# Altium PCB TCM.PcbDoc (part 2 of 10) (continued)
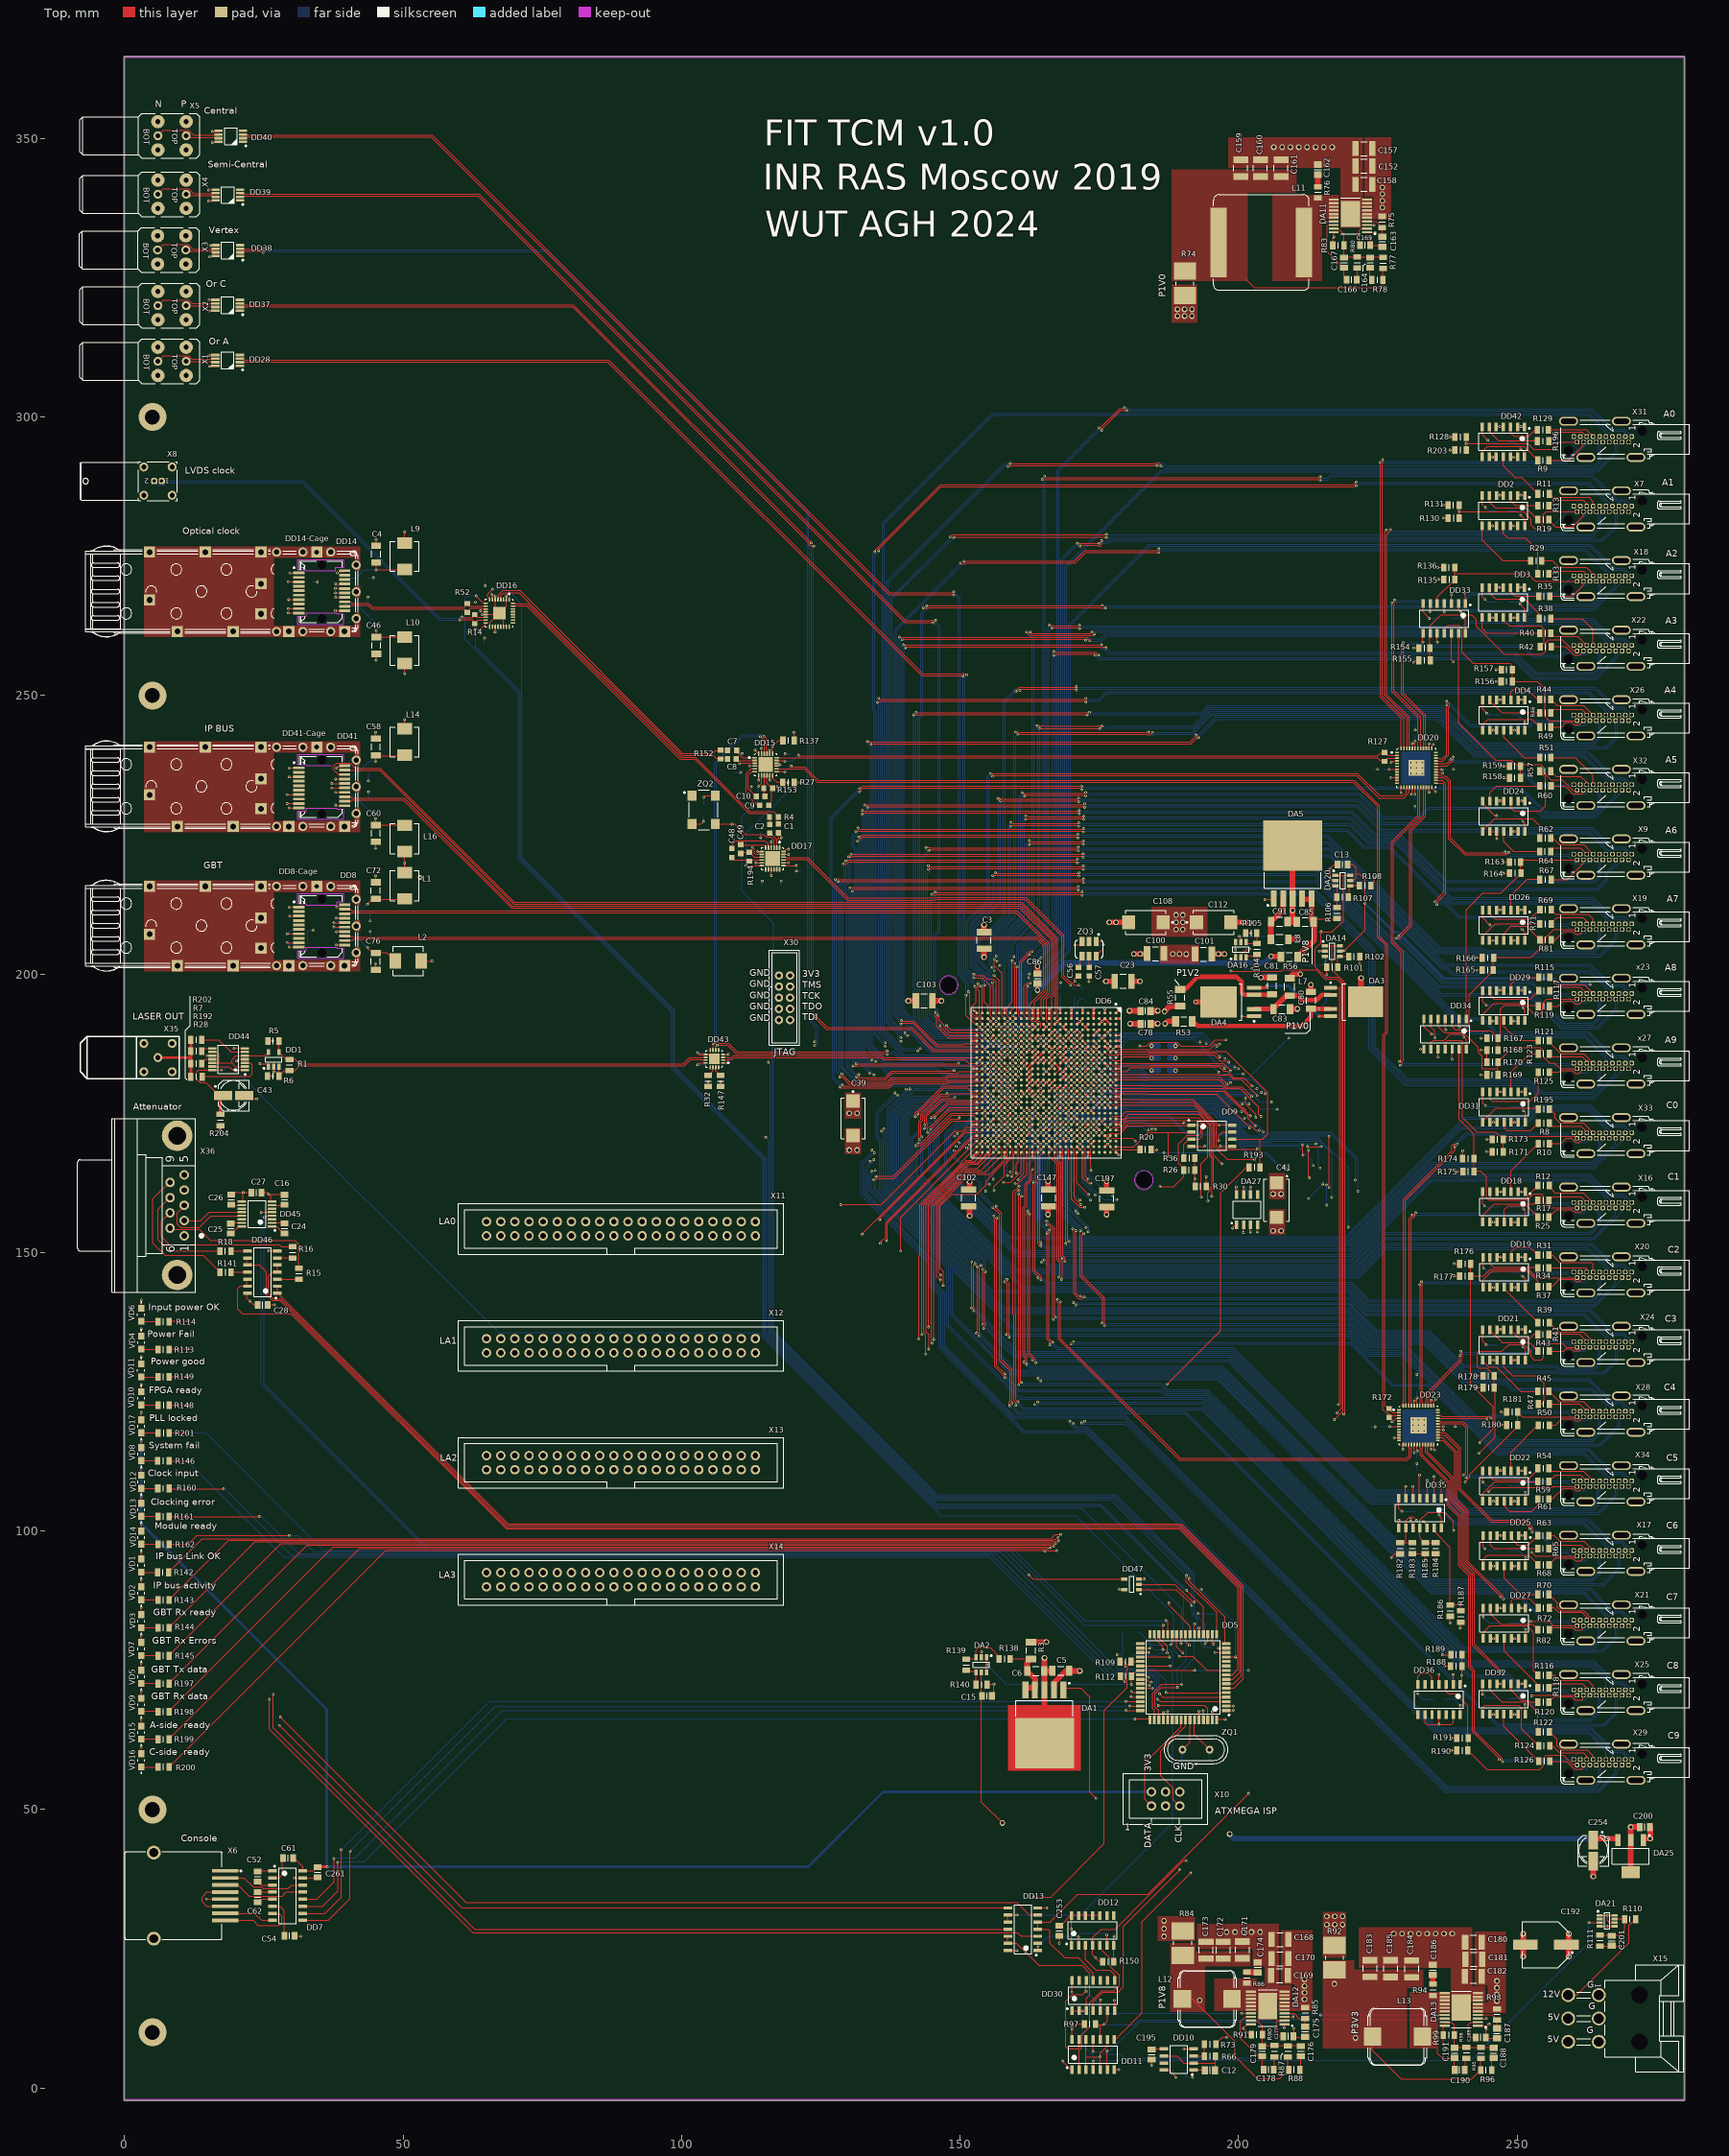
[diagram p0: Top view]
## Footprints (in the part's own frame and the unit in brackets; to place one, negate y for a bottom-side part, rotate by r counter-clockwise, add the part's x,y. Pads: shape width x height; smd on the part's side, far side on the other; paste and mask are expansions set on the pad) (continued)
  round 2.5 hole 1.8: 1(-4.2,2.75) 2(0,2.75) 3(4.2,2.75) 4(-4.2,-2.75) 5(0,-2.75) 6(4.2,-2.75)
  round 1 hole 3 unplated mask+1: MECH1(-4.2,10.05) MECH2(4.2,10.05)
  silkscreen extent -9.6,-1.24 9.6,17.95, body extent -9.6,-3.27 9.6,17.95, height 15
OSC_EPSON_SG5032VAN [mm] "SMD Oscillator, Side Concave; 1.27mm Pitch; 6 Pins, 3.2mm L X 5.0mm W X 1.20mm H"
  rect 1.6x0.9 smd: 1(-1.3,1.27) 2(-1.3,0) 3(-1.3,-1.27) 4(1.3,-1.27) 5(1.3,0) 6(1.3,1.27)
  silkscreen extent -2.72,-2.5 1.6,2.5, body extent -1.6,-2.5 1.6,2.5, height 1.2
OSC_IQD_CFPS-73 [mm] "Oscillator, Side Concave, 5.08mm Pitch, 4 Pins, 5.00mm L X 7.00mm W X 1.40mm H, CFPS-73 Series"
  rect 1.6x1.8 smd: 1(-2.1,2.54) 2(-2.1,-2.54) 3(2.1,-2.54) 4(2.1,2.54)
  silkscreen extent -3.57,-3.6 2.6,3.6, body extent -2.6,-3.6 2.6,3.6, height 1.4
PPAK_M [mm] "D-PAK, 6-Leads, Body 6.1x6.5mm, Pitch 1.27mm, Lead Span 9.7mm, IPC Low Density"
  rect 2.6x0.75 smd: 1(-4.2,2.54) 2(-4.2,1.27) 4(-4.2,-1.27) 5(-4.2,-2.54)
  rect 6.6x5.55 smd: 6(2.2,0)
  silkscreen extent -4.33,-3.3 -1.5,3.59, body extent -1.95,-3.3 4.25,3.3, height 2.4
PPAK_N [mm] "D-PAK, 6-Leads, Body 6.1x6.5mm, Pitch 1.27mm, Lead Span 9.7mm, IPC Medium Density"
  rect 2.3x0.7 smd: 1(-4.15,2.54) 2(-4.15,1.27) 4(-4.15,-1.27) 5(-4.15,-2.54)
  rect 6.3x5.5 smd: 6(2.15,0)
  silkscreen extent -4.27,-3.3 -1.4,3.56, body extent -2,-3.3 4.2,3.3, height 2.4
QFN50P300X300X100-17N-S185 [mm] "QFN,0.50mm pitch,square; 4 pin X 4 pin, 3mm X 3mm X 1.00mm H body (w/thermal tab 1.85 X 1.85mm),  IPC Medium Density"
  oval 0.75x0.3 smd: 1(-1.55,0.75) 2(-1.55,0.25) 3(-1.55,-0.25) 4(-1.55,-0.75) 9(1.55,-0.75) 10(1.55,-0.25) 11(1.55,0.25) 12(1.55,0.75)
  oval 0.3x0.75 smd: 5(-0.75,-1.55) 6(-0.25,-1.55) 7(0.25,-1.55) 8(0.75,-1.55) 13(0.75,1.55) 14(0.25,1.55) 15(-0.25,1.55) 16(-0.75,1.55)
  rect 1.85x1.85 smd: 17(0,0)
  silkscreen extent -2.63,-1.5 1.5,1.5, body extent -1.57,-1.57 1.58,1.58, height 1
QFN50P400X400X90-25N-S265 [mm] "QFN, 0.50mm Pitch, Square; 6 Pin X 6 Pin, 4mm X 4mm Body (w/Thermal Tab 2.65 X 2.65 mm), IPC Medium Density"
  oval 0.85x0.3 smd: 1(-1.95,1.25) 2(-1.95,0.75) 3(-1.95,0.25) 4(-1.95,-0.25) 5(-1.95,-0.75) 6(-1.95,-1.25) 13(1.95,-1.25) 14(1.95,-0.75) 15(1.95,-0.25) 16(1.95,0.25) 17(1.95,0.75) 18(1.95,1.25)
  oval 0.3x0.85 smd: 7(-1.25,-1.95) 8(-0.75,-1.95) 9(-0.25,-1.95) 10(0.25,-1.95) 11(0.75,-1.95) 12(1.25,-1.95) 19(1.25,1.95) 20(0.75,1.95) 21(0.25,1.95) 22(-0.25,1.95) 23(-0.75,1.95) 24(-1.25,1.95)
  rect 2.65x2.65 smd: 25(0,0)
  silkscreen extent -3.07,-2 2,2, body extent -2.07,-2.07 2.08,2.08, height 0.9
QFN50P500X500X100-33N-S230 [mm] "QFN, 0.50mm Pitch, Square; 32 Pin, 5.00mm L X 5.00mm W X 1.00mm H Body (w/Thermal Tab 2.3mm X 2.3mm), IPC Medium Density"
  oval 0.85x0.3 smd: 1(-2.45,1.75) 2(-2.45,1.25) 3(-2.45,0.75) 4(-2.45,0.25) 5(-2.45,-0.25) 6(-2.45,-0.75) 7(-2.45,-1.25) 8(-2.45,-1.75) 17(2.45,-1.75) 18(2.45,-1.25) 19(2.45,-0.75) 20(2.45,-0.25) 21(2.45,0.25) 22(2.45,0.75) 23(2.45,1.25) 24(2.45,1.75)
  oval 0.3x0.85 smd: 9(-1.75,-2.45) 10(-1.25,-2.45) 11(-0.75,-2.45) 12(-0.25,-2.45) 13(0.25,-2.45) 14(0.75,-2.45) 15(1.25,-2.45) 16(1.75,-2.45) 25(1.75,2.45) 26(1.25,2.45) 27(0.75,2.45) 28(0.25,2.45) 29(-0.25,2.45) 30(-0.75,2.45) 31(-1.25,2.45) 32(-1.75,2.45)
  rect 2.3x2.3 smd: 33(0,0)
  silkscreen extent -3.57,-2.5 2.5,2.5, body extent -2.5,-2.5 2.5,2.5, height 1
QFN50P700X700X80-49N-S290 [mm] "QFN, 0.50mm Pitch, Square; 48 Pin, 7.00mm L X 7.00mm W X 0.80mm H body (W/Thermal Tab 2.9mm X 2.9mm), IPC Medium Density"
  rect 0.7x0.3 smd: 1(-3.48,2.75) 2(-3.48,2.25) 3(-3.48,1.75) 4(-3.48,1.25) 5(-3.48,0.75) 6(-3.48,0.25) 7(-3.48,-0.25) 8(-3.48,-0.75) 9(-3.48,-1.25) 10(-3.48,-1.75) 11(-3.48,-2.25) 12(-3.48,-2.75) 25(3.48,-2.75) 26(3.48,-2.25) 27(3.48,-1.75) 28(3.48,-1.25) 29(3.48,-0.75) 30(3.48,-0.25) 31(3.48,0.25) 32(3.48,0.75) 33(3.48,1.25) 34(3.48,1.75) 35(3.48,2.25) 36(3.48,2.75)
  rect 0.3x0.7 smd: 13(-2.75,-3.48) 14(-2.25,-3.48) 15(-1.75,-3.48) 16(-1.25,-3.48) 17(-0.75,-3.48) 18(-0.25,-3.48) 19(0.25,-3.48) 20(0.75,-3.48) 21(1.25,-3.48) 22(1.75,-3.48) 23(2.25,-3.48) 24(2.75,-3.48) 37(2.75,3.48) 38(2.25,3.48) 39(1.75,3.48) 40(1.25,3.48) 41(0.75,3.48) 42(0.25,3.48) 43(-0.25,3.48) 44(-0.75,3.48) 45(-1.25,3.48) 46(-1.75,3.48) 47(-2.25,3.48) 48(-2.75,3.48)
  rect 2.9x2.9 smd: 49(0,0)
  silkscreen extent -4.57,-3.5 3.5,3.5, body extent -3.5,-3.5 3.5,3.5, height 0.8
QFP80P1600X1600X120-64N [mm] "QFP, 0.80mm Pitch, Square; 64 Pin, 14.00mm L X 14.00mm W X 1.20mm H Body, IPC Medium Density"
  rect 1.5x0.55 smd: 1(-7.7,6) 2(-7.7,5.2) 3(-7.7,4.4) 4(-7.7,3.6) 5(-7.7,2.8) 6(-7.7,2) 7(-7.7,1.2) 8(-7.7,0.4) 9(-7.7,-0.4) 10(-7.7,-1.2) 11(-7.7,-2) 12(-7.7,-2.8) 13(-7.7,-3.6) 14(-7.7,-4.4) 15(-7.7,-5.2) 16(-7.7,-6) 33(7.7,-6) 34(7.7,-5.2) 35(7.7,-4.4) 36(7.7,-3.6) 37(7.7,-2.8) 38(7.7,-2) 39(7.7,-1.2) 40(7.7,-0.4) 41(7.7,0.4) 42(7.7,1.2) 43(7.7,2) 44(7.7,2.8) 45(7.7,3.6) 46(7.7,4.4) 47(7.7,5.2) 48(7.7,6)
  rect 0.55x1.5 smd: 17(-6,-7.7) 18(-5.2,-7.7) 19(-4.4,-7.7) 20(-3.6,-7.7) 21(-2.8,-7.7) 22(-2,-7.7) 23(-1.2,-7.7) 24(-0.4,-7.7) 25(0.4,-7.7) 26(1.2,-7.7) 27(2,-7.7) 28(2.8,-7.7) 29(3.6,-7.7) 30(4.4,-7.7) 31(5.2,-7.7) 32(6,-7.7) 49(6,7.7) 50(5.2,7.7) 51(4.4,7.7) 52(3.6,7.7) 53(2.8,7.7) 54(2,7.7) 55(1.2,7.7) 56(0.4,7.7) 57(-0.4,7.7) 58(-1.2,7.7) 59(-2,7.7) 60(-2.8,7.7) 61(-3.6,7.7) 62(-4.4,7.7) 63(-5.2,7.7) 64(-6,7.7)
  silkscreen extent -8.32,-6.6 6.6,6.92, body extent -8.02,-8.02 8.02,8.02, height 1.2
RESC1608X55N [mm] "Chip Resistor, EIA 0603, Metric 1608, Body 1.6x0.8mm, IPC Medium Density"
  rect 0.9x1 smd: 1(-0.8,0) 2(0.8,0)
  body extent -0.87,-0.47 0.88,0.48, height 0.55
RESC2012X60N [mm] "Chip Resistor, EIA 0805, Metric 2012, Body 2.0x1.2mm, IPC Medium Density"
  rect 0.95x1.4 smd: 1(-1,0) 2(1,0)
  silkscreen extent 0,-0.55 0,0.55, body extent -1.1,-0.67 1.1,0.68, height 0.6
RESC3216X80N [mm] "Chip Resistor, EIA 1206, Metric 3216, Body 3.2x1.6mm, IPC Medium Density"
  rect 1.25x1.85 smd: 1(-1.5,0) 2(1.5,0)
  silkscreen extent -0.5,-0.8 0.5,0.8, body extent -1.67,-0.87 1.68,0.88, height 0.8
RESC_BOURNS_CRE2512_0R001-0R004 [mm] "CRE2512 Chip Resistor Series (For R=0.001 to 0.004), 6.40mm L X 3.20mm W X 0.9mm H"
  rect 3.1x4 smd: 1(-2.2,0) 2(2.2,0)
  silkscreen extent -0.3,-1.6 0.3,1.6, body extent -3.2,-1.6 3.2,1.6, height 0.9
SOIC127P600X175-8N [mm] "SOIC 8, Pitch 1.27mm - Body 4x5mm, IPC Medium Density"
  rect 1.55x0.6 smd: 1(-2.7,1.905) 2(-2.7,0.635) 3(-2.7,-0.635) 4(-2.7,-1.905) 5(2.7,-1.905) 6(2.7,-0.635) 7(2.7,0.635) 8(2.7,1.905)
  silkscreen extent -2.52,-2.5 1.55,2.88, body extent -3.1,-2.5 3.1,2.5, height 1.75
SOIC127P600X175-14N [mm] "SOIC 14, Pitch 1.27mm - Body 4x8.75mm, IPC Medium Density"
  rect 1.55x0.6 smd: 1(-2.7,3.81) 2(-2.7,2.54) 3(-2.7,1.27) 4(-2.7,0) 5(-2.7,-1.27) 6(-2.7,-2.54) 7(-2.7,-3.81) 8(2.7,-3.81) 9(2.7,-2.54) 10(2.7,-1.27) 11(2.7,0) 12(2.7,1.27) 13(2.7,2.54) 14(2.7,3.81)
  silkscreen extent -2.52,-4.4 1.55,4.79, body extent -3.1,-4.37 3.1,4.38, height 1.75
SOIC127P600X175-16N [mm] "SOIC 16, Pitch 1.27mm - Body 4x10mm, IPC Medium Density"
  rect 1.55x0.6 smd: 1(-2.7,4.445) 2(-2.7,3.175) 3(-2.7,1.905) 4(-2.7,0.635) 5(-2.7,-0.635) 6(-2.7,-1.905) 7(-2.7,-3.175) 8(-2.7,-4.445) 9(2.7,-4.445) 10(2.7,-3.175) 11(2.7,-1.905) 12(2.7,-0.635) 13(2.7,0.635) 14(2.7,1.905) 15(2.7,3.175) 16(2.7,4.445)
  silkscreen extent -2.45,-5 1.55,5.37, body extent -3.1,-5 3.1,5, height 1.75
SOIC127P800X216-8N [mm] "SOIC, 1.27mm, Pitch; 8 Pin, 5.28mm W X 5.28mm L X 2.16mm H body, IPC Medium Density"
  rect 1.5x0.6 smd: 1(-3.65,1.905) 2(-3.65,0.635) 3(-3.65,-0.635) 4(-3.65,-1.905) 5(3.65,-1.905) 6(3.65,-0.635) 7(3.65,0.635) 8(3.65,1.905)
  silkscreen extent -4.27,-2.65 2.58,2.87, body extent -3.86,-2.54 3.86,2.54, height 2
SOP63P600X175-16N [mm] "SOP, 0.635mm Pitch; 16 Pin, 3.9mm W X 4.895mm L X 1.75mm H Body, IPC Medium Density"
  rect 1.55x0.4 smd: 1(-2.7,2.222) 2(-2.7,1.587) 3(-2.7,0.952) 4(-2.7,0.317) 5(-2.7,-0.318) 6(-2.7,-0.953) 7(-2.7,-1.588) 8(-2.7,-2.223) 9(2.7,-2.222) 10(2.7,-1.587) 11(2.7,-0.952) 12(2.7,-0.317) 13(2.7,0.318) 14(2.7,0.953) 15(2.7,1.588) 16(2.7,2.223)
  silkscreen extent -3.33,-2.45 1.6,3.07, body extent -3.13,-2.49 3.13,2.49, height 1.75
SOP65P490X110-8N [mm] "SOP, 0.65mm pitch; 8 pin, 3.00mm W X 3.00mm L X 1.10mm H body, IPC Medium Density"
  rect 1.5x0.45 smd: 1(-2.2,0.975) 2(-2.2,0.325) 3(-2.2,-0.325) 4(-2.2,-0.975) 5(2.2,-0.975) 6(2.2,-0.325) 7(2.2,0.325) 8(2.2,0.975)
  silkscreen extent -2.83,-1.5 1.12,1.82, body extent -2.45,-1.55 2.45,1.55, height 1.1
SOP65P640X120-14N [mm] "SOP, 14-Leads, Body 5.1x4.5mm (max), Pitch 0.65mm, IPC Medium Density"
  rect 1.45x0.45 smd: 1(-2.95,1.95) 2(-2.95,1.3) 3(-2.95,0.65) 4(-2.95,0) 5(-2.95,-0.65) 6(-2.95,-1.3) 7(-2.95,-1.95) 8(2.95,-1.95) 9(2.95,-1.3) 10(2.95,-0.65) 11(2.95,0) 12(2.95,0.65) 13(2.95,1.3) 14(2.95,1.95)
  silkscreen extent -3.08,-2.55 1.85,2.85, body extent -3.12,-2.55 3.12,2.55, height 1.2
SOT65P280X100-8N [mm] "SOT, 0.65mm pitch; 8 pin, 1.625mm W X 2.90mm L X 1.00mm H body, IPC Medium Density"
  rect 1.1x0.45 smd: 1(-1.35,0.975) 2(-1.35,0.325) 3(-1.35,-0.325) 4(-1.35,-0.975) 5(1.35,-0.975) 6(1.35,-0.325) 7(1.35,0.325) 8(1.35,0.975)
  silkscreen extent -1.77,-1.45 0.48,1.82, body extent -1.4,-1.5 1.4,1.5, height 1
SOT95P280X110-6N [mm] "SOT, 0.95mm Pitch; 6 Pin, 1.60mm W X 2.90mm L X 1.10mm H Body, IPC Medium Density"
  rect 1.1x0.6 smd: 1(-1.35,0.95) 2(-1.35,0) 3(-1.35,-0.95) 4(1.35,-0.95) 5(1.35,0) 6(1.35,0.95)
  silkscreen extent -1.77,-1.45 0.48,1.88, body extent -1.4,-1.5 1.4,1.5, height 1.1
SOT95P280X145-5N [mm] "SOT, 0.95mm pitch; 5 pin, 1.60mm W X 2.90mm L X 1.45mm H body, IPC Medium Density"
  rect 1.1x0.6 smd: 1(-1.3,0.95) 2(-1.3,0) 3(-1.3,-0.95) 4(1.3,-0.95) 5(1.3,0.95)
  silkscreen extent -1.72,-1.45 0.43,1.87, body extent -1.4,-1.5 1.4,1.5, height 1.45
SOT230P700X180-4N [mm] "SOT223, 2.30mm pitch; 3 pin, 3.70mm W X 6.70mm L, IPC Medium Density"
  rect 2.15x0.95 smd: 1(-2.9,2.3) 2(-2.9,0) 3(-2.9,-2.3)
  rect 2.15x3.25 smd: 4(2.9,0)
  silkscreen extent -3.87,-3.35 1.45,3.48, body extent -3.65,-3.35 3.65,3.35, height 1.81
TEXAS_PWP0020AA [mm] "TEXAS Case Style PWP0020AA, SOP, 0.65mm Pitch; 20 Pin, 4.40mm W X 6.50mm L X 1.10mm H body (w/thermal tab 3.4mm X 4.6mm  ), IPC Medium Density"
  rect 1.8x0.4 smd: 1(-3,2.925) 2(-3,2.275) 3(-3,1.625) 4(-3,0.975) 5(-3,0.325) 6(-3,-0.325) 7(-3,-0.975) 8(-3,-1.625) 9(-3,-2.275) 10(-3,-2.925) 11(3,-2.925) 12(3,-2.275) 13(3,-1.625) 14(3,-0.975) 15(3,-0.325) 16(3,0.325) 17(3,0.975) 18(3,1.625) 19(3,2.275) 20(3,2.925)
  rect 3.4x4.7 smd: 21(0,-0.35)
  silkscreen extent -4.52,-3.25 1.75,3.32, body extent -3.2,-3.25 3.2,3.25, height 1.1
TO170P1394X457-6N-R900X1060 [mm] "TO, 1.70mm Pitch; 5 Pin, 13.945mm L X 8.89mm W X 4.572mm H body, IPC Medium Density"
  rect 2.95x1.05 smd: 1(-6.3,3.4) 2(-6.3,1.7) 3(-6.3,0) 4(-6.3,-1.7) 5(-6.3,-3.4)
  rect 9x10.6 smd: 6(3.25,0)
  silkscreen extent -7.62,-5.1 -1.6,5.1, body extent -6.93,-5.27 7.11,5.27, height 4.63
TYCO_2007435-1 [mm] "0.578mm Pitch, Through-Hole Right Angle 19 Contacts Flag-HDMI Type-A Receptacle Thru Hole Mounting Pads"
  rrect50% 0.8x0.8 hole 0.55: 1(0.5,-5.202) 2(-0.5,-4.624) 3(0.5,-4.046) 4(-0.5,-3.468) 5(0.5,-2.89) 6(-0.5,-2.312) 7(0.5,-1.734) 8(-0.5,-1.156) 9(0.5,-0.578) 10(-0.5,0) 11(0.5,0.578) 12(-0.5,1.156) 13(0.5,1.734) 14(-0.5,2.312) 15(0.5,2.89) 16(-0.5,3.468) 17(0.5,4.046) 18(-0.5,4.624) 19(0.5,5.202)
  round 0.5 hole 1.7 unplated mask+0.6: H1(-2,6.148) H2(1.5,-7.102)
  oval 1.6x3.4 hole 0.9 slot 2.7 at 90 deg: SHIELD(-3.25,3.048) SHIELD(-3.25,-5.952) SHIELD(3.25,6.148) SHIELD(3.25,-3.352)
  silkscreen extent -3.87,-15.6 3.45,7.5, body extent -3.94,-15.6 3.94,7.5, height 16.43
XTAL_ABRACON_ABL [mm] "HC-49/U-S Leaded Cristal, Body 11.5x4.66mm; Pitch 4.88mm"
  round 1.4 hole 0.7: 1(-2.44,0) 2(2.44,0)
  silkscreen extent -5.75,-2.5 5.75,2.5, body extent -5.75,-2.5 5.75,2.5, height 3.5

## Part data
C1 C2 C7 C8 C9 C10 C48 C49 C56 C57 C69 C70: library part CC0603_220NF_25V_10%_X7R, "Non-polarised capacitor", Case=0603, Manufacturer=GENERIC, Manufacturer1 ComponentHeight=0.87mm, Manufacturer1 Example=KEMET, Manufacturer1 Part Number=C0603C224K3RACTU, Tolerance=±10%, Voltage=25V, Author="CERN DEM JLC", Component Type=Standard, CreateDate=29.10.2014, HelpURL=\\cern.ch\dfs\Applications\Altium\Datasheets\CC0603_X7R_KEMET.pdf, LatestRevisionDate=29.10.2014, Manufacturer Part Number=CC0603_220NF_25V_10%_X7R, Mounted=Yes, Part Description="SMD Multilayer Chip Ceramic Capacitor", Part Number=CC0603_220NF_25V_10%_X7R, Pin Count=2, Sense=No, SMD=Yes, Socket=No, Status=Preferred, TC=X7R
C3 C23 C100 C101 C102 C103 C147 C152 C157 C158 C159 C160 C161 C168 C169 C170 C171 C172 C173 C180 C181 C182 C183 C184 C185 C197: library part CC1210_47UF_16V_20%_X5R, "Non-polarised capacitor", Case=1210, Manufacturer=GENERIC, Manufacturer1 ComponentHeight=2.7mm, Manufacturer1 Example="TAIYO YUDEN", Manufacturer1 Part Number=EMK325BJ476MM-T, Tolerance=±20%, Voltage=16V, Author="CERN DEM MR", Component Type=Standard, CreateDate=03.02.2016, HelpURL=\\cern.ch\dfs\Applications\Altium\Datasheets\CC1210_X5R_TAIYO-YUDEN_HIGH-VALUE.pdf, LatestRevisionDate=03.02.2016, Manufacturer Part Number=CC1210_47UF_16V_20%_X5R, Mounted=Yes, Part Description="SMD Multilayer Chip Ceramic Capacitor", Part Number=CC1210_47UF_16V_20%_X5R, Pin Count=2, Sense=No, SMD=Yes, Socket=No, Status=None, TC=X5R
C4 C5 C6 C46 C58 C60 C72 C76 C80 C81 C83 C85 C91: library part CC1206_22UF_25V_20%_X5R, "Non-polarised capacitor", Case=1206, Manufacturer=GENERIC, Manufacturer1 ComponentHeight=1.8mm, Manufacturer1 Example=TDK, Manufacturer1 Part Number=C3216X5R1E226M160, Tolerance=±20%, Voltage=25V, Author="CERN DEM WB", Component Type=Standard, CreateDate=25.07.2018, HelpURL=\\cern.ch\dfs\Applications\Altium\Datasheets\CC1206_X5R_TDK_C.pdf, LatestRevisionDate=25.07.2018, Manufacturer Part Number=CC1206_22UF_25V_20%_X5R, Mounted=Yes, Part Description="SMD Multilayer Chip Ceramic Capacitor", Part Number=CC1206_22UF_25V_20%_X5R, Pin Count=2, Sense=No, SMD=Yes, Socket=No, Status=None, TC=X5R
C11 C13 C14 C15 C16 C17 C18 C19 C20 C21 C22 C24 C25 C26 C27 C28 C29 C30 C31 C32 C33 C34 C35 C36 C37 C38 C40 C42 C45 C52 C53 C54 C55 C61 C62 C67 C71 C193 C194 C195 C196 C198 C199 C200 C201 C215 C216 C217 C218 C219 C220 C221 C222 C223 C224 C225 C226 C227 C228 C230 C231 C232 C238 C240 C241 C253 C255 C256 C257 C258 C259 C261 C262: library part CC0805_220NF_50V_10%_X7R, "Non-polarised capacitor", Case=0805, Manufacturer=GENERIC, Manufacturer1 ComponentHeight=1.35mm, Manufacturer1 Example=MURATA, Manufacturer1 Part Number=GRM21BR71H224KA01L, Tolerance=±10%, Voltage=50V, Author="CERN DEM JLC", Component Type=Standard, CreateDate=03.12.2007, HelpURL=\\cern.ch\dfs\Applications\Altium\Datasheets\CC0805_X7R_MURATA.pdf, LatestRevisionDate=03.12.2007, Manufacturer Part Number=CC0805_220NF_50V_10%_X7R, Mounted=Yes, Part Description="SMD Multilayer Chip Ceramic Capacitor", Part Number=CC0805_220NF_50V_10%_X7R, Pin Count=2, Sense=No, SMD=Yes, Socket=No, Status=Preferred, TC=X7R
C12: library part CC0805_2.2NF_50V_5%_C0G, "Non-polarised capacitor", Case=0805, Manufacturer=GENERIC, Manufacturer1 ComponentHeight=0.88mm, Manufacturer1 Example=KEMET, Manufacturer1 Part Number=C0805C222J5GACTU, Tolerance=±5%, Voltage=50V, Author="CERN DEM MR", Component Type=Standard, CreateDate=26.01.2016, HelpURL="\\cern.ch\dfs\Applications\Altium\Datasheets\CC0805_C0G_KEMET_(Commercial Grade).pdf", LatestRevisionDate=26.01.2016, Manufacturer Part Number=CC0805_2.2NF_50V_5%_C0G, Mounted=Yes, Part Description="SMD Multilayer Chip Ceramic Capacitor", Part Number=CC0805_2.2NF_50V_5%_C0G, Pin Count=2, Sense=No, SMD=Yes, Socket=No, Status=None, TC=C0G/NP0
C39: library part CTE7343-30_330UF_4V_20%_PANASONIC_TPF, "Polarised capacitor", Manufacturer=PANASONIC, Manufacturer Part Number=4TPF330M9L, Tolerance=±20%, Voltage=4V, Author="CERN DEM HF", Component Type=Standard, ComponentHeight=3mm, CreateDate=30.05.2024, HelpURL=\\cern.ch\dfs\Applications\Altium\Datasheets\CTE_PANASONIC_TPF.pdf, LatestRevisionDate=30.05.2024, Mounted=Yes, Part Description="ESR 0R009 Tantalum Chip Capacitor", Part Number=CTE7343-30_330UF_4V_20%_PANASONIC_TPF, Pin Count=2, Sense=No, SMD=Yes, Socket=No, Status=None
C41: library part CTE7343-31_330UF_6.3V_20%_LESR0015_KEMET_T520, "Polarised capacitor", Case=D, Manufacturer=KEMET, Manufacturer Part Number=T520D337M006ATE015, Tolerance=±20%, Voltage=6.3V, Author="CERN DEM JLC", Component Type=Standard, ComponentHeight=3.1mm, CreateDate=11.01.2012, HelpURL=\\cern.ch\dfs\Applications\Altium\Datasheets\CTE-LESR_KEMET_T520.pdf, LatestRevisionDate=11.01.2012, Mounted=Yes, Part Description="Low ESR 0R015 Tantalum Chip Capacitor", Part Number=CTE7343-31_330UF_6.3V_20%_LESR0015_KEMET_T520, Pin Count=2, Sense=No, SMD=Yes, Socket=No, Status=None
C43 C254: library part CAE530-610_47UF_16V_20%, "Polarised capacitor", Case=C, Manufacturer=CHEMI-CON, Manufacturer Part Number=HHXD160ARA470ME61G, Tolerance=±20%, Voltage=16V, Author="CERN DEM HF", Component Type=Standard, ComponentHeight=6.1mm, CreateDate=15.04.2024, HelpURL=\\cern.ch\dfs\Applications\Altium\Datasheets\CAE_CHIMI-CON_HXD.pdf, LatestRevisionDate=15.04.2024, Mounted=Yes, Part Description="Conductive Polymer Hybrid Aluminum Electrolytic Capacitor", Part Number=CAE530-610_47UF_16V_20%, Pin Count=2, Sense=No, SMD=Yes, Socket=No, Status="Not Recommended"
C44 C47 C59 C63 C73 C77 C166 C178 C190: library part CC0805_10NF_50V_10%_X7R, "Non-polarised capacitor", Case=0805, Manufacturer=GENERIC, Manufacturer1 ComponentHeight=0.88mm, Manufacturer1 Example=KEMET, Manufacturer1 Part Number=C0805C103K5RACTU, Tolerance=±10%, Voltage=50V, Author="CERN DEM JLC", Component Type=Standard, CreateDate=03.12.2007, HelpURL=\\cern.ch\dfs\Applications\Altium\Datasheets\CC0805_X7R_KEMET.pdf, LatestRevisionDate=22.04.2015, Manufacturer Part Number=CC0805_10NF_50V_10%_X7R, Mounted=Yes, Part Description="SMD Multilayer Chip Ceramic Capacitor", Part Number=CC0805_10NF_50V_10%_X7R, Pin Count=2, Sense=No, SMD=Yes, Socket=No, Status=Preferred, TC=X7R
C50 C65: library part CC0805_20PF_50V_2%_C0G, "Non-polarised capacitor", Case=0805, Manufacturer=GENERIC, Manufacturer1 ComponentHeight=1.45mm, Manufacturer1 Example="YAGEO PHYCOMP", Manufacturer1 Part Number=CC0805GRNPO9BN200, Tolerance=±2%, Voltage=50V, Author="CERN DEM HF", Component Type=Standard, CreateDate=07.05.2024, HelpURL=\\cern.ch\dfs\Applications\Altium\Datasheets\CC0805_NP0_YAGEO.pdf, LatestRevisionDate=07.05.2024, Manufacturer Part Number=CC0805_20PF_50V_2%_C0G, Mounted=Yes, Part Description="SMD Multilayer Chip Ceramic Capacitor", Part Number=CC0805_20PF_50V_2%_C0G, Pin Count=2, Sense=No, SMD=Yes, Socket=No, Status=None, TC=C0G/NP0
C78 C84 C86 C97 C98 C99: library part CC0805_4.7UF_50V_10%_X7R, "Non-polarised capacitor", Case=0805, Manufacturer=GENERIC, Manufacturer1 ComponentHeight=1.45mm, Manufacturer1 Example=TDK, Manufacturer1 Part Number=C2012X7R1H475K125, Tolerance=±10%, Voltage=50V, Author="CERN DEM JMW", Component Type=Standard, CreateDate=30.07.2021, HelpURL=\\cern.ch\dfs\Applications\Altium\Datasheets\CC0805_X7R_TDK_C.pdf, LatestRevisionDate=30.07.2021, Manufacturer Part Number=CC0805_4.7UF_50V_10%_X7R, Mounted=Yes, Part Description="SMD Multilayer Chip Ceramic Capacitor", Part Number=CC0805_4.7UF_50V_10%_X7R, Pin Count=2, Sense=No, SMD=Yes, Socket=No, Status=Preferred, TC=X7R
C95 C163 C175 C187: library part CC0805_1UF_25V_10%_X7R, "Non-polarised capacitor", Case=0805, Manufacturer=GENERIC, Manufacturer1 ComponentHeight=1.4mm, Manufacturer1 Example=KEMET, Manufacturer1 Part Number=C0805C105K3RAC, Tolerance=±10%, Voltage=25V, Author="CERN DEM JLC", Component Type=Standard, CreateDate=23.03.2009, HelpURL=\\cern.ch\dfs\Applications\Altium\Datasheets\CC0805_X7R_KEMET.pdf, LatestRevisionDate=23.03.2009, Manufacturer Part Number=CC0805_1UF_25V_10%_X7R, Mounted=Yes, Part Description="SMD Multilayer Chip Ceramic Capacitor", Part Number=CC0805_1UF_25V_10%_X7R, Pin Count=2, Sense=No, SMD=Yes, Socket=No, Status=Preferred, TC=X7R
C108 C112: library part CTE7343-19_330UF_2.5V_20%_LESR0009_KEMET_T520, "Polarised capacitor", Case=V, Manufacturer=KEMET, Manufacturer Part Number=T520V337M2R5ATE009, Tolerance=±20%, Voltage=2.5V, Author="CERN DEM HF", Component Type=Standard, ComponentHeight=1.9mm, CreateDate=30.05.2024, HelpURL=\\cern.ch\dfs\Applications\Altium\Datasheets\CTE-LESR_KEMET_T520.pdf, LatestRevisionDate=30.05.2024, Mounted=Yes, Part Description="Low ESR 0R009 Tantalum Chip Capacitor", Part Number=CTE7343-19_330UF_2.5V_20%_LESR0009_KEMET_T520, Pin Count=2, Sense=No, SMD=Yes, Socket=No, Status=None
C162 C174 C186: library part CC0805_360PF_50V_5%_C0G, "Non-polarised capacitor", Case=0805, Manufacturer=GENERIC, Manufacturer1 ComponentHeight=1.45mm, Manufacturer1 Example="YAGEO PHYCOMP", Manufacturer1 Part Number=CC0805JRNPO9BN361, Tolerance=±5%, Voltage=50V, Author="CERN DEM HF", Component Type=Standard, CreateDate=30.05.2024, HelpURL=\\cern.ch\dfs\Applications\Altium\Datasheets\CC0805_NP0_YAGEO.pdf, LatestRevisionDate=30.05.2024, Manufacturer Part Number=CC0805_360PF_50V_5%_C0G, Mounted=Yes, Part Description="SMD Multilayer Chip Ceramic Capacitor", Part Number=CC0805_360PF_50V_5%_C0G, Pin Count=2, Sense=No, SMD=Yes, Socket=No, Status=None, TC=NP0
C164: library part CC0805_4.7NF_50V_10%_X7R, "Non-polarised capacitor", Case=0805, Manufacturer=GENERIC, Manufacturer1 ComponentHeight=0.94mm, Manufacturer1 Example=PHYCOMP, Manufacturer1 Part Number=223858615632, Tolerance=±10%, Voltage=50V, Author="CERN DEM JLC", Component Type=Standard, CreateDate=03.12.2007, HelpURL=\\cern.ch\dfs\Applications\Altium\Datasheets\CC0805_X7R_PHYCOMP.pdf, LatestRevisionDate=03.12.2007, Manufacturer Part Number=CC0805_4.7NF_50V_10%_X7R, Mounted=Yes, Part Description="SMD Multilayer Chip Ceramic Capacitor", Part Number=CC0805_4.7NF_50V_10%_X7R, Pin Count=2, Sense=No, SMD=Yes, Socket=No, Status=Preferred, TC=X7R
C165 C177 C189: library part CC0805_100NF_50V_10%_X7R, "Non-polarised capacitor", Case=0805, Manufacturer=GENERIC, Manufacturer1 ComponentHeight=1mm, Manufacturer1 Example=TDK, Manufacturer1 Part Number=C2012X7R1H104K085, Tolerance=±10%, Voltage=50V, Author="CERN DEM JLC", Component Type=Standard, CreateDate=03.12.2007, HelpURL=\\cern.ch\dfs\Applications\Altium\Datasheets\CC0805_X7R_TDK_C.pdf, LatestRevisionDate=22.04.2015, Manufacturer Part Number=CC0805_100NF_50V_10%_X7R, Mounted=Yes, Part Description="SMD Multilayer Chip Ceramic Capacitor", Part Number=CC0805_100NF_50V_10%_X7R, Pin Count=2, Sense=No, SMD=Yes, Socket=No, Status=None, TC=X7R
C167 C179 C191: library part CC0805_100PF_50V_5%_NP0, "Non-polarised capacitor", Case=0805, Manufacturer=GENERIC, Manufacturer1 ComponentHeight=1.35mm, Manufacturer1 Example=PHYCOMP, Manufacturer1 Part Number=223886115101, Tolerance=±5%, Voltage=50V, Author="CERN DEM JLC", Component Type=Standard, CreateDate=03.12.2007, HelpURL=\\cern.ch\dfs\Applications\Altium\Datasheets\CC0805_NP0_PHYCOMP.pdf, LatestRevisionDate=03.12.2007, Manufacturer Part Number=CC0805_100PF_50V_5%_NP0, Mounted=Yes, Part Description="SMD Multilayer Chip Ceramic Capacitor", Part Number=CC0805_100PF_50V_5%_NP0, Pin Count=2, Sense=No, SMD=Yes, Socket=No, Status=Preferred, TC=C0G/NP0
C176 C188: library part CC0805_4.7NF_50V_5%_NP0, "Non-polarised capacitor", Case=0805, Manufacturer=GENERIC, Manufacturer1 ComponentHeight=0.95mm, Manufacturer1 Example=MURATA, Manufacturer1 Part Number=GRM2195C1H472JA01, Tolerance=±5%, Voltage=50V, Author="CERN DEM MR", Component Type=Standard, CreateDate=30.03.2016, HelpURL=\\cern.ch\dfs\Applications\Altium\Datasheets\CC0805_MURATA_GRM2195C1H472JA01.pdf, LatestRevisionDate=30.03.2016, Manufacturer Part Number=CC0805_4.7NF_50V_5%_NP0, Mounted=Yes, Part Description="SMD Multilayer Chip Ceramic Capacitor", Part Number=CC0805_4.7NF_50V_5%_NP0, Pin Count=2, Sense=No, SMD=Yes, Socket=No, Status=None, TC=C0G/NP0
C192: library part CAE830-1020_560UF_10V_20%, "Polarised capacitor", Case=F, Manufacturer=PANASONIC, Manufacturer Part Number=EEEFH1A561L, Tolerance=±20%, Voltage=10V, Author="CERN DEM HF", Component Type=Standard, ComponentHeight=10.2mm, CreateDate=24.05.2024, HelpURL=\\cern.ch\dfs\Applications\Altium\Datasheets\CAE_PANASONIC_FH.pdf, LatestRevisionDate=24.05.2024, Mounted=Yes, Part Description="Aluminum Electrolytic SMT Capacitor", Part Number=CAE830-1020_560UF_10V_20%, Pin Count=2, Sense=No, SMD=Yes, Socket=No, Status="Not Recommended"
DA1 DA5: "1.5A, Fast Transient Response LDO Regulators", Case=TO-263-5, Manufacturer="ANALOG DEVICES", Author="CERN DEM HF", Bonding=No, Component Type=Standard, ComponentHeight=4.57mm, CreateDate=05.06.2024, HelpURL=\\cern.ch\dfs\Applications\Altium\Datasheets\LT1963.pdf, LatestRevisionDate=05.06.2024, Mounted=Yes, PackageDescription="D2PAK TO-263, TO, 1.70mm Pitch; 5 Pin, 13.945mm L X 8.89mm W X 4.572mm H body, IPC Medium Density", Pin Count=6, PressFit=No, Sense=No, SMD=Yes, Socket=No
  DA1: Device=LT1963EQ-2.5, Manufacturer Part Number=LT1963EQ-2.5, Part Description="1.5A, 2.5V, Fast Transient Response, LDO Regulator", Part Number=LT1963EQ-2.5
  DA5: Device=LT1963EQ-1.8, Manufacturer Part Number=LT1963EQ-1.8, Part Description="1.5A, 1.8V, Fast Transient Response, LDO Regulator", Part Number=LT1963EQ-1.8
DA2 DA14 DA16 DA20: "Window Comparator for Over- and Undervoltage Detection", Case=SOT23-6, Manufacturer="TEXAS INSTRUMENTS", Author="CERN DEM JMW", Bonding=No, Component Type=Standard, ComponentHeight=1.1mm, CreateDate=12.02.2014, Device=TPS3700DDCR, HelpURL=\\cern.ch\dfs\Applications\Altium\Datasheets\TPS3700DDCR.pdf, LatestRevisionDate=12.02.2014, Manufacturer Part Number=TPS3700DDCR, Mounted=Yes, PackageDescription="SOT, 0.95mm Pitch; 6 Pin, 1.60mm W X 2.90mm L X 1.10mm H body, IPC Medium Density", Part Description="Window Comparator for Over- and Undervoltage Detection", Part Number=TPS3700DDCR, Pin Count=6, PressFit=No, Sense=No, SMD=Yes, Socket=No
DA3: library part CMP-0244-00092-1, "1.5 Very Low Drop Voltage Regulator, 1.0V, 5-Pin PPAK, Tape and Reel", ComponentLink1Description="Manufacturer URL", ComponentLink1URL=http://www.st.com, ComponentLink2Description=Datasheet, ComponentLink2URL=http://www.st.com/internet/com/TECHNICAL_RESOURCES/TECHNICAL_LITERATURE/DATASHEET/CD00157522.pdf, DatasheetVersion=1/06/2010, PackageDescription="5-Pin Transistor Outline Package 1.27 mm Pitch, 9.7 mm Lead Span", PackageReference=PPAK, PackageVersion=1/06/2004
DA4: library part CMP-0244-00093-1, "1.5 Very Low Drop Voltage Regulator, 1.2V, 5-Pin PPAK, Tape and Reel", ComponentLink1Description="Manufacturer URL", ComponentLink1URL=http://www.st.com, ComponentLink2Description=Datasheet, ComponentLink2URL=http://www.st.com/internet/com/TECHNICAL_RESOURCES/TECHNICAL_LITERATURE/DATASHEET/CD00157522.pdf, DatasheetVersion=1/06/2010, PackageDescription="5-Pin Transistor Outline Package 1.27 mm Pitch, 9.7 mm Lead Span", PackageReference=PPAK, PackageVersion=1/06/2004
DA11 DA12 DA13: "2.95-V To 5.5-V, 12-A, Voltage-Mode Synchronous Buck Regulator with Frequency Synchronization", Case=TSSOP20, Manufacturer="TEXAS INSTRUMENTS", Author="CERN DEM HF", Bonding=No, Component Type=Standard, ComponentHeight=1.1mm, CreateDate=05.06.2024, LatestRevisionDate=05.06.2024, Mounted=Yes, PackageDescription="TEXAS Case Style PWP0020AA, SOP, 0.65mm Pitch; 20 Pin, 4.40mm W X 6.50mm L X 1.10mm H body (w/thermal tab 3.4mm X 4.6mm  ), IPC Medium Density", Pin Count=21, PressFit=No, Sense=No, SMD=Yes, Socket=No
  DA11: Device=LM21215AMHX-1, HelpURL=\\cern.ch\dfs\Applications\Altium\Datasheets\LM21215AMHX-1.pdf, Manufacturer Part Number=LM21215AMHX-1, Part Description="2.95-V To 5.5-V, 15-A, Voltage-Mode Synchronous Buck Regulator with Frequency Synchronization", Part Number=LM21215AMHX-1
  DA12 DA13: Device=LM21212MH-1, HelpURL=\\cern.ch\dfs\Applications\Altium\Datasheets\LM21212MH-1.pdf, Manufacturer Part Number=LM21212MH-1, Part Description="2.95-V To 5.5-V, 12-A, Voltage-Mode Synchronous Buck Regulator with Frequency Synchronization", Part Number=LM21212MH-1
DA21: "Precision Dual Supply Monitors with One Pin-Selectable Threshold and One Adjustable Input", Case=SOT23-8, Manufacturer="LINEAR TECHNOLOGY", Author="CERN DEM HF", Bonding=No, Component Type=Standard, ComponentHeight=1mm, CreateDate=05.06.2024, Device=LTC2906ITS8, HelpURL=\\cern.ch\dfs\Applications\Altium\Datasheets\LTC2906.pdf, LatestRevisionDate=05.06.2024, Manufacturer Part Number=LTC2906ITS8, Mounted=Yes, PackageDescription="SOT, 0.65mm Pitch; 8 Pin, 1.625mm W X 2.90mm L X 1.00mm H Body, IPC Medium Density", Part Description="Precision Dual Supply Monitors with One Pin-Selectable Threshold and One Adjustable Input", Part Number=LTC2906ITS8, Pin Count=8, PressFit=No, Sense=No, SMD=Yes, Socket=No